# Altium PCB PCB1.PcbDoc
Units mil, origin at the board's own origin, x right, y up, seen from the top; angles counter-clockwise.
Board outline 4910 x 6675 mil, 2 copper layers (Top Layer, Bottom Layer); 98 components, 82 nets, 405 pads, 11 vias.
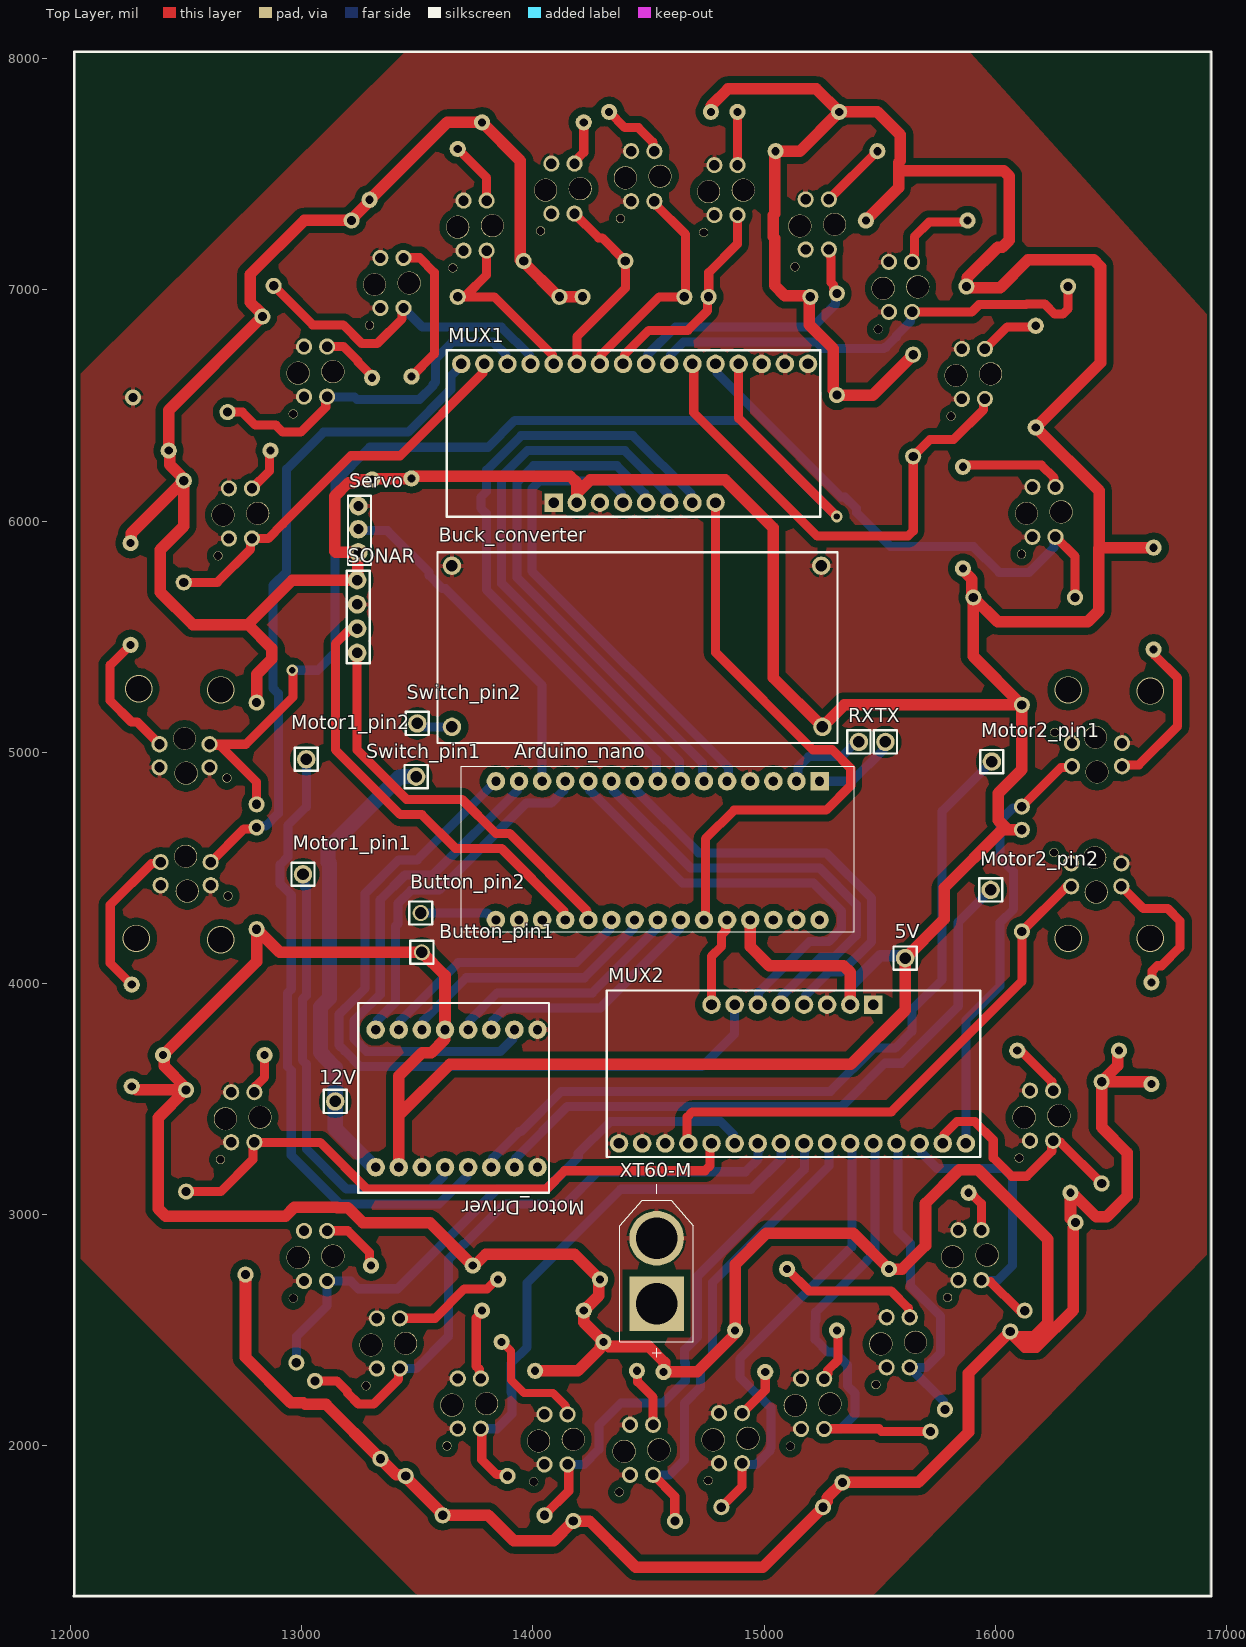
[diagram p0: Top Layer view]
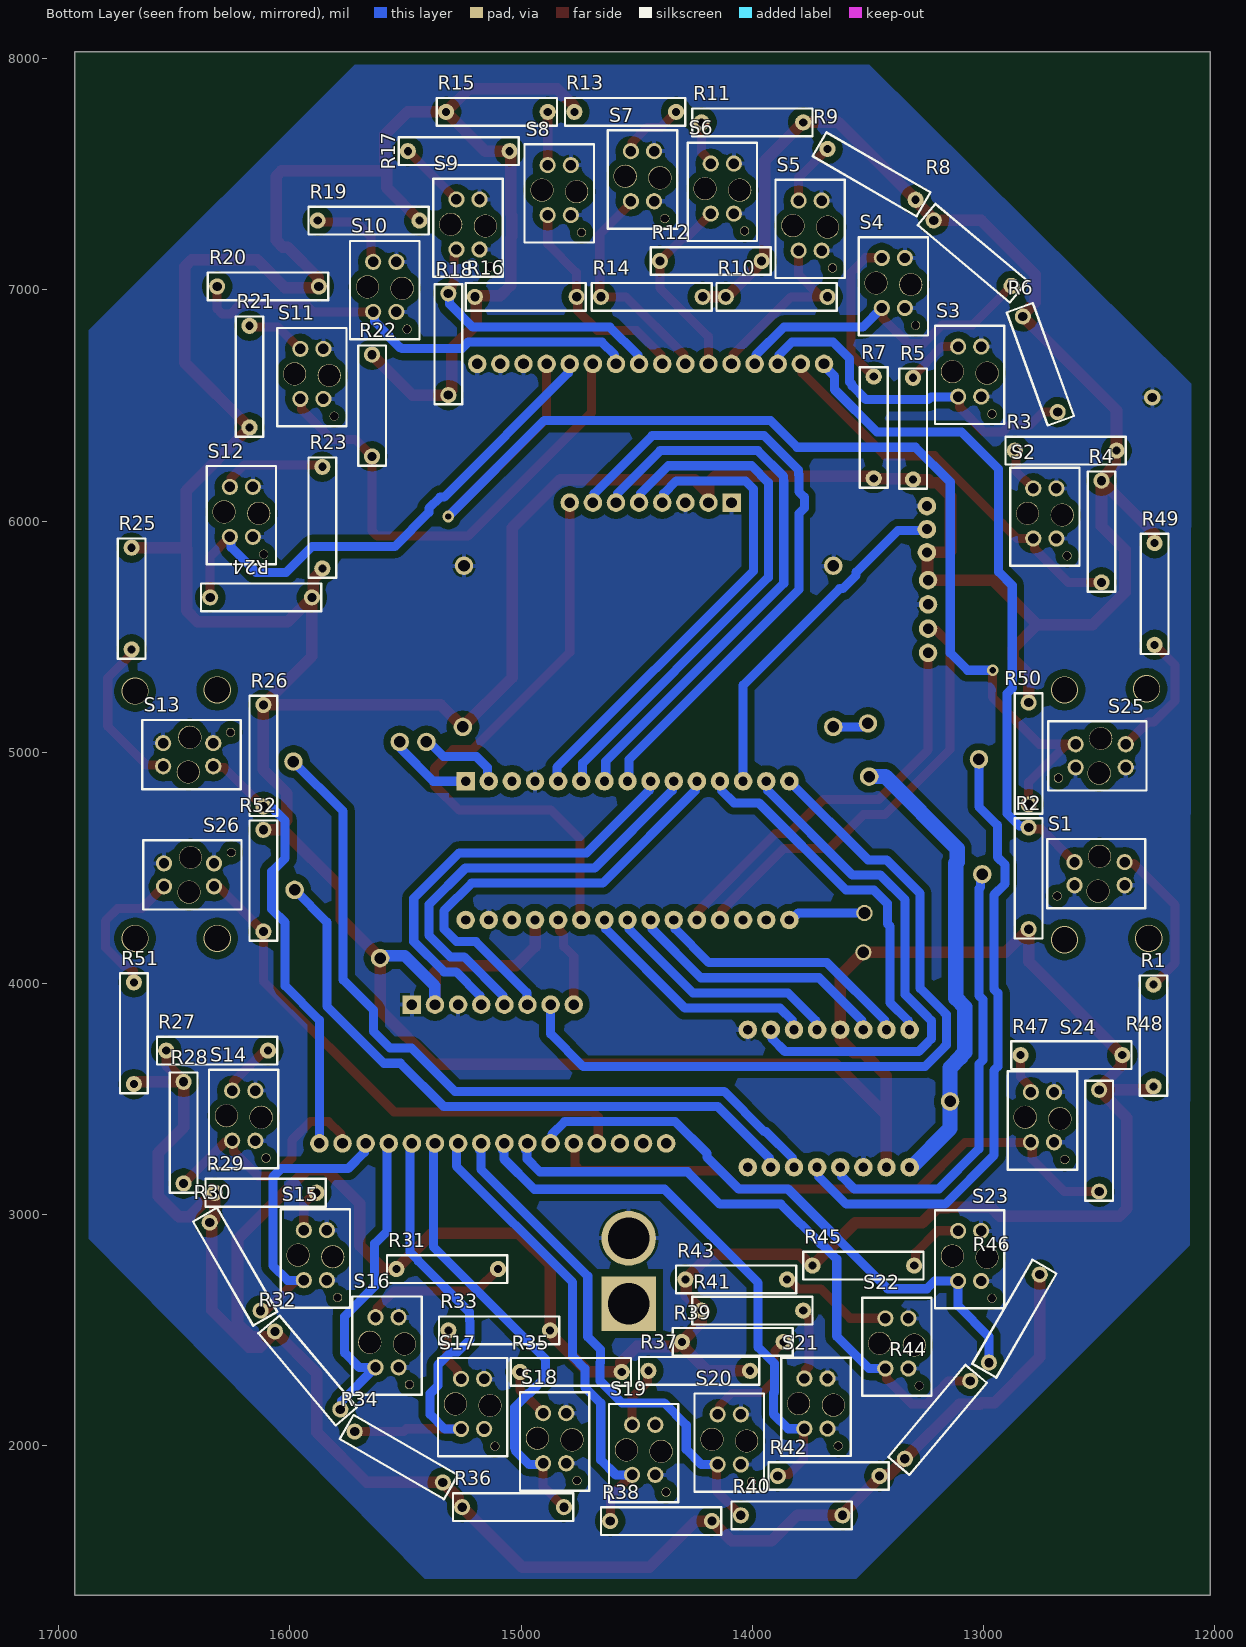
[diagram p1: Bottom Layer view, seen from below]
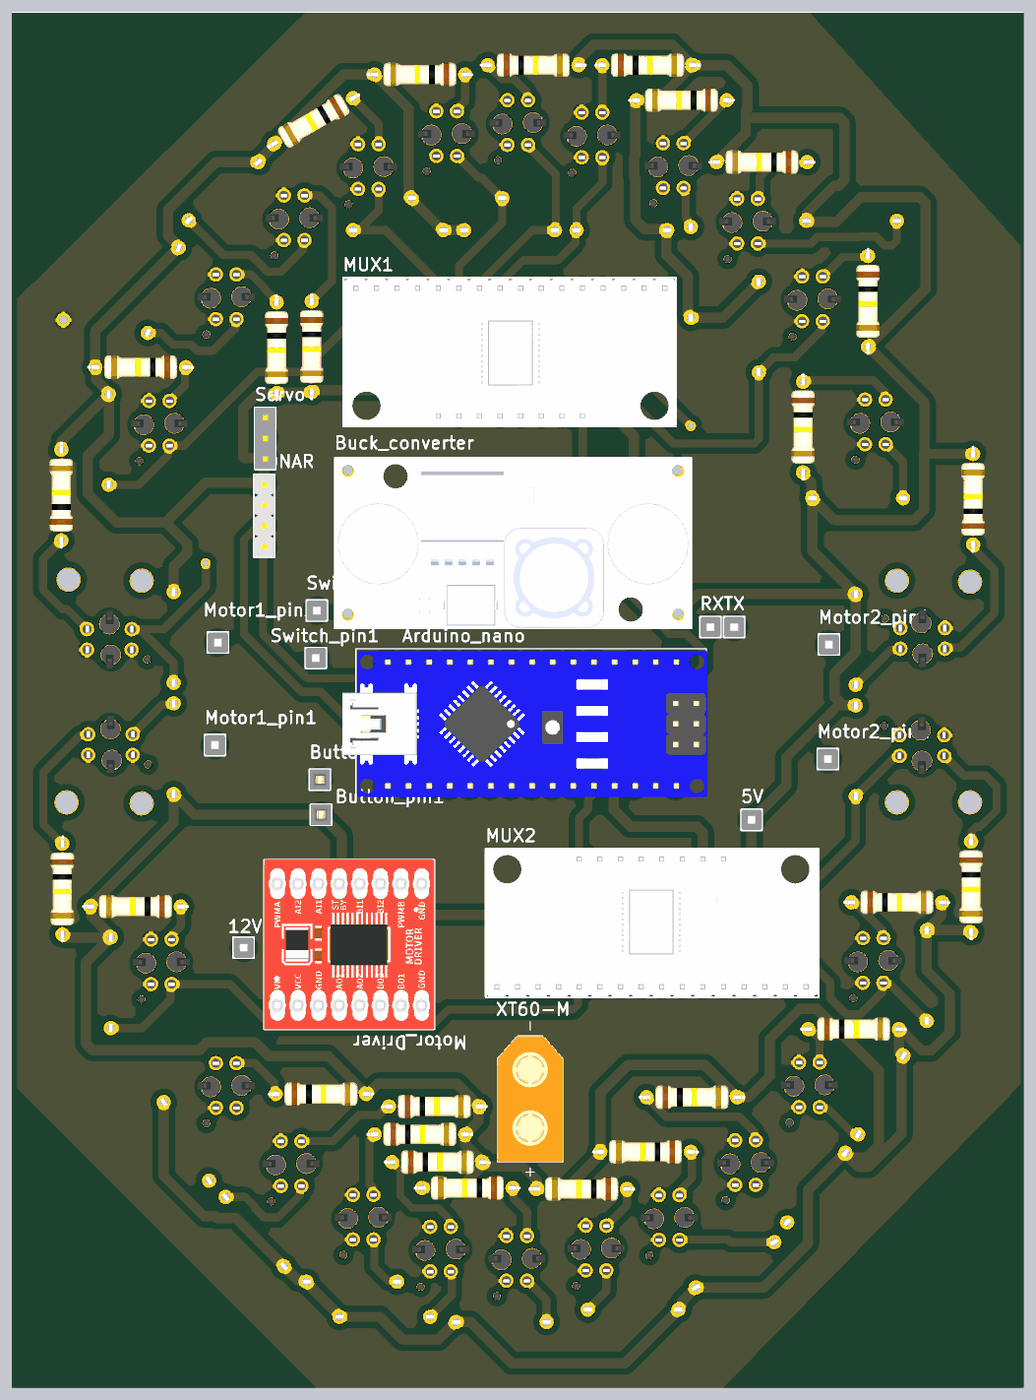
[diagram p2: 3D render of the assembled board from above, using the file's embedded part models]
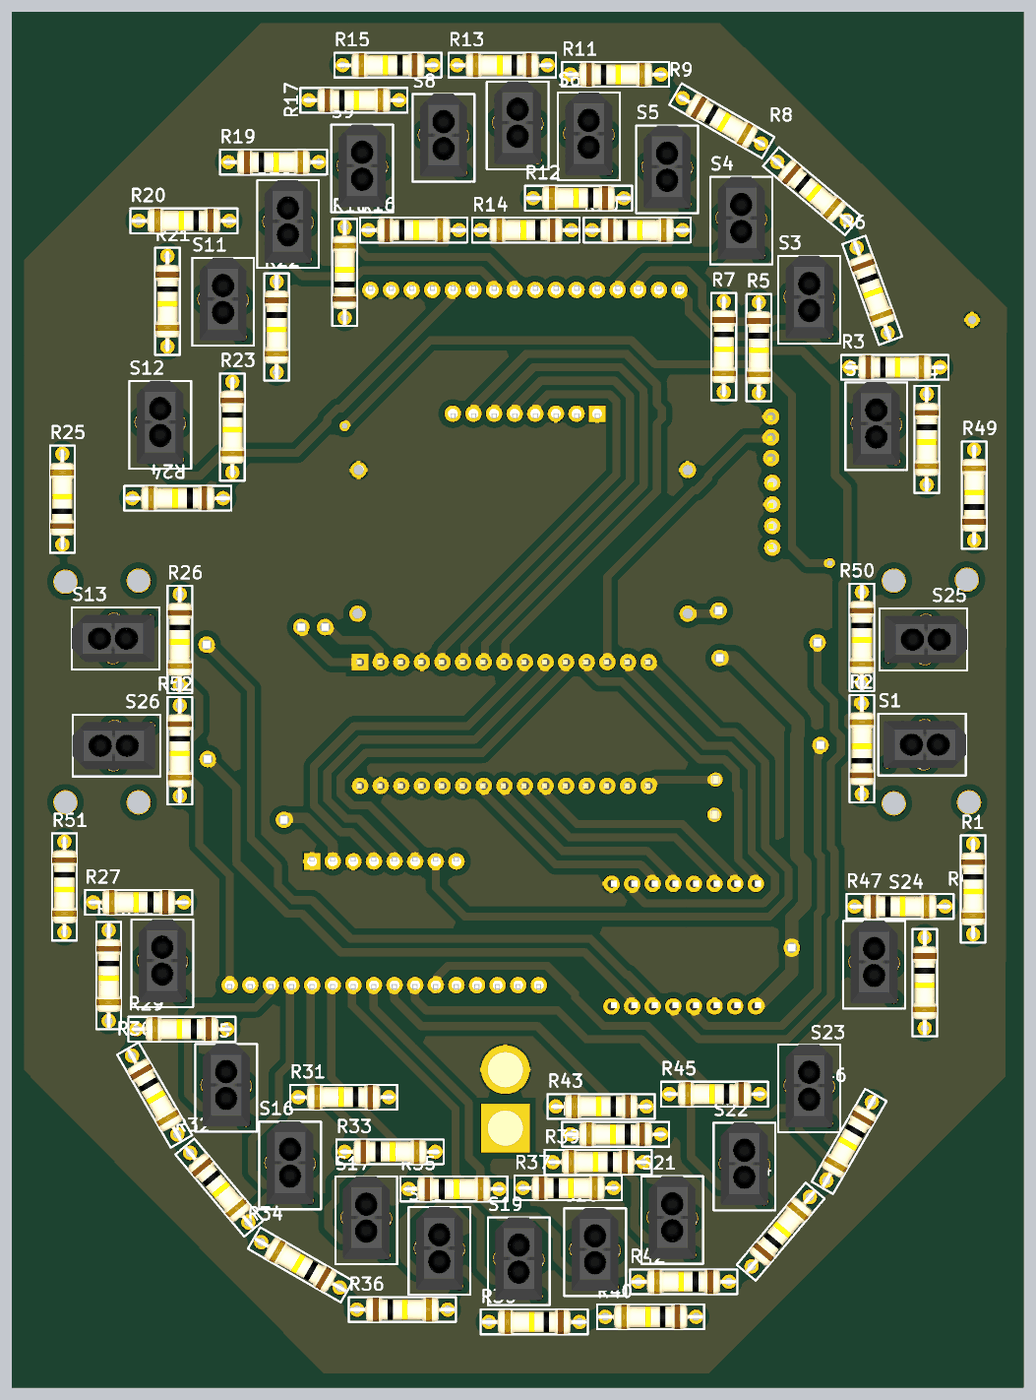
[diagram p3: 3D render of the assembled board from below, using the file's embedded part models]

## Layer stack, top to bottom
Top Solder: solder mask 0.4, Solder Resist, Dk 3.5
Top Layer: signal copper 1.4
Dielectric 1: dielectric 12.6, FR-4, Dk 4.8
Bottom Layer: signal copper 1.4
Bottom Solder: solder mask 0.4, Solder Resist, Dk 3.5

## Board outline
12020,1355 16930,1355 16930,8030 12020,8030

## Design rules (kind name [scope] priority, off if disabled: settings)
Clearance [All] p1: gap=30 ignorepadtopadclearanceinfootprint=FALSE except(0: Arc-Text Arc-Hole Track-Text Track-Hole SMDPad-Text SMDPad-Hole THPad-Text THPad-Hole Via-Text Fill-Text Poly-Text Region-Text Text-Text Text-Hole; 19: THPad-THPad; 26: Arc-Arc Arc-Track Track-Track)
HoleSize [All] p1: absolutevalues=TRUE maxlimit=200 minlimit=1 maxpercent=80.000 minpercent=20.000
PolygonConnect [All] p1: connectstyle=Relief reliefconductorwidth=19.68 reliefentries=4 polygonreliefangle="90 Angle" airgapwidth=10
RoutingVias [All] p1: holewidth=28 width=50 viastyle="Through Hole" minholewidth=28 minwidth=50 maxholewidth=28 maxwidth=50
SolderMaskExpansion [All] p1: expansion=4 istentingtop=FALSE
SupplyNets "Schematic Supply Nets_2" [InNet('+12')] p1: voltage=0.000
SupplyNets "Schematic Supply Nets_1" [InNet('+5')] p2: voltage=0.000
SupplyNets "Schematic Supply Nets" [InNet('GND')] p3: voltage=0.000
Width [All] p1: maxlimit=157.48 minlimit=31.5 preferedwidth=39.37 minimp=50.000000 maximp=50.000000 favimp=50.000000
29 further rules are at their usual default settings.

## Components (designator, comment, footprint, x,y, rotation, side; value= is the part's Value field where it differs from the comment)
5V "" 1_pin_male_header 15615,4115 r0 top
12V "" 1_pin_male_header 13150,3495 r0 top
Arduino_nano "" Arduino_nano 14320,4715 r270 top
Buck_converter "" Buck_converter 14597.36,5515 r90 top
Button_pin1 "" 1_pin_female_header 13530,4145 r90 top
Button_pin2 "" 1_pin_female_header 13525,4315 r90 top
Motor1_pin1 "" 1_pin_male_header 13000.63,4477.82 r90 top
Motor1_pin2 "" 1_pin_male_header 13015,4975 r90 top
Motor2_pin1 "" 1_pin_male_header 15980,4965 r90 top
Motor2_pin2 "" 1_pin_male_header 15975,4410 r90 top
Motor_Driver "" TB6612_Motor_driver 13810,2640.51 r90 top
MUX1 "" MUX 14392.73,6383.62 r270 top
MUX2 "" MUX 15170,3605 r90 top
R1 "Resistor(330)" Resistor(330) 12195,3555 r90 bottom
R2 "Resistor(10k)" Resistor(10k) 12865,4525 r270 bottom
R3 "Resistor(330)" Resistor(330) 12425,6375 r0 bottom
R4 "Resistor(10k)" Resistor(10k) 12430,5885 r90 bottom
R5 "Resistor(330)" Resistor(330) 13235,6180 r90 bottom
R6 "Resistor(10k)" Resistor(10k) 12674.43,6633.01 r70 bottom
R7 "Resistor(330)" Resistor(330) 13405,6185 r90 bottom
R8 "Resistor(10k)" Resistor(10k) 12955,7160 r40 bottom
R9 "Resistor(330)" Resistor(330) 13258.95,7450.62 r30 bottom
R10 "Resistor(10k)" Resistor(10k) 13825,7030 r0 bottom
R11 "Resistor(330)" Resistor(330) 13780,7795 r0 bottom
R12 "Resistor(10k)" Resistor(10k) 14250,7065 r180 bottom
R13 "Resistor(330)" Resistor(330) 14770,7700 r180 bottom
R14 "Resistor(10k)" Resistor(10k) 14505,6910 r180 bottom
R15 "Resistor(330)" Resistor(330) 15325,7700 r180 bottom
R16 "Resistor(10k)" Resistor(10k) 14910,7030 r0 bottom
R17 "Resistor(330)" Resistor(330) 15050,7670 r0 bottom
R18 "Resistor(10k)" Resistor(10k) 15375,6835 r270 bottom
R19 "Resistor(330)" Resistor(330) 15440,7370 r0 bottom
R20 "Resistor(10k)" Resistor(10k) 16165,6955 r180 bottom
R21 "Resistor(330)" Resistor(330) 16105,6405 r90 bottom
R22 "Resistor(10k)" Resistor(10k) 15585,6430 r90 bottom
R23 "Resistor(330)" Resistor(330) 15790,5795 r90 bottom
R24 "Resistor(10k)" Resistor(10k) 16195,5610 r180 bottom
R25 "Resistor(330)" Resistor(330) 16755,5885 r270 bottom
R26 "Resistor(10k)" Resistor(10k) 16055,4915 r90 bottom
R27 "Resistor(330)" Resistor(330) 16535,3640 r180 bottom
R28 "Resistor(10k)" Resistor(10k) 16400,3285 r90 bottom
R29 "Resistor(330)" Resistor(330) 16325,3025 r180 bottom
R30 "Resistor(10k)" Resistor(10k) 16150,2745 r60 bottom
R31 "Resistor(330)" Resistor(330) 15540,2695 r180 bottom
R32 "Resistor(10k)" Resistor(10k) 15832.63,2311.41 r50 bottom
R33 "Resistor(330)" Resistor(330) 14875,2570 r0 bottom
R34 "Resistor(10k)" Resistor(10k) 15620,1935 r210 bottom
R35 "Resistor(330)" Resistor(330) 14565,2390 r0 bottom
R36 "Resistor(10k)" Resistor(10k) 14965,1795 r0 bottom
R37 "Resistor(330)" Resistor(330) 14010,2395 r0 bottom
R38 "Resistor(10k)" Resistor(10k) 14465,1615 r180 bottom
R39 "Resistor(330)" Resistor(330) 14305,2380 r180 bottom
R40 "Resistor(10k)" Resistor(10k) 13900,1640 r180 bottom
R41 "Resistor(330)" Resistor(330) 14220,2515 r180 bottom
R42 "Resistor(10k)" Resistor(10k) 13740,1810 r180 bottom
R43 "Resistor(330)" Resistor(330) 14290,2650 r180 bottom
R44 "Resistor(10k)" Resistor(10k) 13200,2205 r310 bottom
R45 "Resistor(330)" Resistor(330) 13740,2710 r180 bottom
R46 "Resistor(10k)" Resistor(10k) 12850,2460 r120 bottom
R47 "Resistor(330)" Resistor(330) 12400,3760 r0 bottom
R48 "Resistor(10k)" Resistor(10k) 12440,3250 r90 bottom
R49 "" Resistor(330) 12330,5905 r270 bottom
R50 "" Resistor(10k) 12745,4925 r90 bottom
R51 "" Resistor(330) 16605,3565 r90 bottom
R52 "" Resistor(10k) 16055,4375 r90 bottom
RX "" 1_pin_male_header 15415,5050 r0 top
S1 "TCRT5000" TCRT5000 12390,4425 r90 bottom
S2 "TCRT5000" TCRT5000 12685,6141.53 r0 bottom
S3 "TCRT5000" TCRT5000 13010,6755 r0 bottom
S4 "TCRT5000" TCRT5000 13340.2,7138.27 r0 bottom
S5 "TCRT5000" TCRT5000 13700,7386.53 r0 bottom
S6 "TCRT5000" TCRT5000 14080,7546.53 r0 bottom
S7 "TCRT5000" TCRT5000 14425.2,7600 r0 bottom
S8 "TCRT5000" TCRT5000 14785.2,7540 r0 bottom
S9 "TCRT5000" TCRT5000 15180,7391.53 r0 bottom
S10 "TCRT5000" TCRT5000 15540,7121.53 r0 bottom
S11 "TCRT5000" TCRT5000 15855.2,6745 r0 bottom
S12 "TCRT5000" TCRT5000 16160.2,6148.27 r0 bottom
S13 "TCRT5000" TCRT5000 16548.27,5039.8 r270 bottom
S14 "TCRT5000" TCRT5000 16150,3536.53 r0 bottom
S15 "TCRT5000" TCRT5000 15840.2,2933.27 r0 bottom
S16 "TCRT5000" TCRT5000 15530,2556.53 r0 bottom
S17 "TCRT5000" TCRT5000 15160,2290 r0 bottom
S18 "TCRT5000" TCRT5000 14805,2141.53 r0 bottom
S19 "TCRT5000" TCRT5000 14420,2091.53 r0 bottom
S20 "TCRT5000" TCRT5000 14050,2136.53 r0 bottom
S21 "TCRT5000" TCRT5000 13675,2291.53 r0 bottom
S22 "TCRT5000" TCRT5000 13325,2551.53 r0 bottom
S23 "TCRT5000" TCRT5000 13010.2,2930 r0 bottom
S24 "TCRT5000" TCRT5000 12695.2,3530 r0 bottom
S25 "TCRT5000" TCRT5000 12385,4935 r90 bottom
S26 "TCRT5000" TCRT5000 16545,4520 r270 bottom
Servo "" 3_pin_male_header 13245,5965 r90 top
SONAR "" "4 pin male" 13240,5745 r270 top
Switch_pin1 "" 1_pin_male_header 13490,4900 r90 top
Switch_pin2 "" 1_pin_male_header 13495,5130 r90 top
TX "" 1_pin_male_header 15530,5050 r0 top
XT60-M "" AMASS_XT60-M 14535,2756.73 r90 top

## Footprints (in the part's own frame and the unit in brackets; to place one, negate y for a bottom-side part, rotate by r counter-clockwise, add the part's x,y. Pads: shape width x height; smd on the part's side, far side on the other; paste and mask are expansions set on the pad)
1_pin_female_header [mil]
  round 70 hole 50: 1(-10,10)
  silkscreen extent -60,-40 40,60, body extent -59,-39 39,59, height 354
1_pin_male_header [mil]
  round 80 hole 50: 1(-5,-5)
  silkscreen extent -55,-55 45,45, body extent -54,-54 44,44, height 433
3_pin_male_header [mil]
  round 80 hole 43: 1(-100,0) 2(0,0) 3(100,0)
  silkscreen extent -155,-55 145,45, body extent -155,-55 145,45, height 330
"4 pin male" [mil]
  round 80 hole 46: 1(0,0) 2(105,0) 3(210,0) 4(315,0)
  silkscreen extent -40,-45 360,55, body extent -40,-44 360,54, height 180
AMASS_XT60-M [mm]
  round 6 hole 4.55: N(3.6,0)
  rect 6x6 / inner round 6 / far side rect 6x6 hole 4.55: P(-3.6,0)
  silkscreen extent -9.5,-4.05 9.5,4.05, body extent -7.75,-4.05 7.75,4.05, height 16
Arduino_nano [mil]
  rect 80x80 hole 40: 1(-160,920)
  round 80 hole 40: 2(-160,820) 3(-160,720) 4(-160,620) 5(-160,520) 6(-160,420) 7(-160,320) 8(-160,220) 9(-160,120) 10(-160,20) 11(-160,-80) 12(-160,-180) 13(-160,-280) 14(-160,-380) 15(-160,-480) 16(440,-480) 17(440,-380) 18(440,-280) 19(440,-180) 20(440,-80) 21(440,20) 22(440,120) 23(440,220) 24(440,320) 25(440,420) 26(440,520) 27(440,620) 28(440,720) 29(440,820) 30(440,920)
  silkscreen extent -225,-630 490,1070, body extent -214,-696 494,1075, height 496
Buck_converter [mil]
  round 80 hole 50: 1(-405,947.36) 2(291.85,947.36) 3(-405,-655) 4(291.85,-650)
  silkscreen extent -475,-720 350,1010, body extent -475,-721 352,1011, height 537
MUX [mil]
  round 80 hole 46: 1(-296.38,-702.73) 2(-296.38,-602.73) 3(-296.38,-502.73) 4(-296.38,-402.73) 5(-296.38,-302.73) 6(-296.38,-202.73) 7(-296.38,-102.73) 8(-296.38,-2.73) 9(-296.38,97.27) 10(-296.38,197.27) 11(-296.38,297.27) 12(-296.38,397.27) 13(-296.38,497.27) 14(-296.38,597.27) 15(-296.38,697.27) 16(-296.38,797.27) 18(303.62,-202.73) 19(303.62,-102.73) 20(303.62,-2.73) 21(303.62,97.27) 22(303.62,197.27) 23(303.62,297.27) 24(303.62,397.27)
  rect 80x80 hole 46: 17(303.62,-302.73)
  silkscreen extent -355,-765 365,850, body extent -354,-760 364,854, height 385
Resistor(10k) [mil]
  round 70 hole 40: 1(-150,60) 2(290,60)
  silkscreen extent -190,0 330,120, body extent -190,1 330,119, height 259
Resistor(330) [mil]
  round 70 hole 35: 1(0,70) 2(440,70)
  silkscreen extent -40,10 480,130, body extent -40,11 480,129, height 59
TB6612_Motor_driver [mil]
  round 80 hole 40: 1(565,490) 2(565,390) 3(565,290) 4(565,190) 5(565,90) 6(565,-10) 7(565,-110) 8(565,-210) 9(1159.49,-210) 10(1159.49,-110) 11(1159.49,-10) 12(1159.49,90) 13(1159.49,190) 14(1159.49,290) 15(1159.49,390) 16(1159.49,490)
  silkscreen extent 455,-260 1275,565, body extent 453,-260 1276,566, height 264
TCRT5000 [mil]
  round 70 hole 45: 1(0,216.53) 2(0,0) 3(100,216.53) 4(100,0)
  round 100 hole 95: 5(-25.2,115) 6(124.8,108.27)
  round 39.37 hole 35.43: 7(-46.46,291.34)
  silkscreen extent -100,-90 200,335, body extent -88,-92 188,310, height 283

## Part data
5V 12V Motor1_pin1 Motor1_pin2 Motor2_pin1 Motor2_pin2 RX Switch_pin1 Switch_pin2 TX: library part 1_pin_male_header
Arduino_nano: library part Arduino_nano
Buck_converter: library part Buck_converter
Button_pin1 Button_pin2: library part 1_pin_female_header
Motor_Driver: library part TB6612_Motor_driver
MUX1 MUX2: library part MUX
R49 R51: library part Resistor(330)
R50 R52: library part Resistor(10k)
Servo: library part 3_pin_male_header
SONAR: library part "4 pin male"
XT60-M: library part XT60-M, "Plug; DC supply; XT60; male; PIN: 2; for cable; soldered; 30A; 500V", Package=Package, Check_prices=https://www.snapeda.com/parts/XT60-M/AMASS/view-part/?ref=eda, MF=AMASS, MP=XT60-M, SnapEDA_Link=https://www.snapeda.com/parts/XT60-M/AMASS/view-part/?ref=snap

## Via types
v1: diameter 118.11, hole 110, Top Layer to Bottom Layer, 8 vias
v2: diameter 50, hole 28, Top Layer to Bottom Layer, 2 vias
v3: diameter 70, hole 40, Top Layer to Bottom Layer, 1 vias

## Nets (pads, with @x,y where several pads share a name; then routed paths per layer and width w, separated by ;. In a path a pad name is that pad's centre, name@x,y a point inside that pad or via, vN(x,y) a via of type N, cw(c..) or ccw(c..) an arc to the next point about the centre after c; other vN are vias at no path point)
+5: 5V.1 Arduino_nano.27 Buck_converter.3 Button_pin1.1 Motor_Driver.2 Motor_Driver.13 MUX1.18 MUX2.18 R1.1 R2.2 R3.1 R4.2 R5.1 R6.2 R7.1 R8.2 R9.1 R10.2 R11.1 R12.2 R13.1 R14.2 R15.1 R16.2 R17.1 R18.2 R19.1 R20.2 R21.1 R22.2 R23.1 R24.2 R25.1 R26.2 R27.1 R28.2 R29.1 R30.2 R31.1 R32.2 R33.1 R34.2 R35.1 R36.2 R37.1 R38.2 R39.1 R40.2 R41.1 R42.2 R43.1 R44.2 R45.1 R46.2 R47.1 R48.2 R49.1 R50.2 R51.1 R52.2 Servo.1 SONAR.1 | length 40230.3
  Top Layer w50: R49.1 12262.87,5907.87 12262.87,5947.87 R4.2 ; R1.1 12269.06,3555 12284.06,3540 R48.2 ; R46.2 12756.96,2383.04 12952.72,2187.28 13007.61,2187.28 13015.42,2179.47 13105.26,2179.47 R44.2 13408.86,1875.86 13444.14,1875.86 R42.2 13450,1865 13610,1705 R40.2 13806.6,1700 13916.6,1590 14090,1590 R38.2 14245,1675 14445,1475 14995,1475 R36.2 15255,1743.29 15272.35,1760.63 15272.35,1775.45 R34.2 15666.96,1841.96 15884.04,2059.04 15884.04,2314.04 R32.2@16062.44,2492.44 ; R50.2 12805,5338.01 12870.71,5403.73 12870.71,5449.29 12767.48,5552.52 ; Servo.1@13242.5,5862.5 13242.5,5747.5 SONAR.1 12959.95,5745 12767.48,5552.52 ; Servo.1 13148.13,5865 13143.13,5870 13143.13,6107.2 13202.8,6166.87 13225.37,6166.87 13236.59,6178.09 13303.09,6178.09 R5.1 13307.5,6182.5 13472.5,6182.5 R7.1 13479.06,6185 13489.06,6195 14160.71,6195 14189.37,6166.34 14189.37,6080.63 MUX1.18 14190.63,6080.63 14190.63,6121.16 14248.84,6179.37 14831.16,6179.37 15038.89,5971.64 15038.89,5323.47 Buck_converter.3 15347.36,5205 R26.2 ; Motor_Driver.2 13420.63,3206.14 13420.63,3246.67 ; 13420,3246.67 13420,3430 ; R37.1 14195,2325 14292.19,2422.19 R39.1@14292.19,2430.25 ; R14.2 R10.2 14110,6970 13955,7125 13950,7125 13945.75,7129.25 13945.75,7559.25 R11.1 13628.95,7725 R9.1 13293.95,7384.34 13215.72,7306.11 R8.2 13010.45,7300.45 12776.79,7066.79 12776.79,6946.5 12822.5,6900.79 12822.5,6896.56 12830,6889.06 R6.2 12425,6480 R3.1 12429.9,6300.1 12429.9,6243.38 12490,6183.29 R4.2 ; R13.1 14771.91,7771.91 14771.91,7797.44 14843.84,7869.37 15225.63,7869.37 R15.1 ; Arduino_nano.27 14940,4160 15022.54,4077.46 15343.44,4077.46 15372.73,4048.17 MUX2.18 15373.36,3909.25 15373.36,3970.29 ; R19.1 15581.56,7441.56 15581.56,7515 ; R22.2 15470,6545 R18.2 15315,6550.41 15300,6565.41 15300,6745 15195,6850 15195,6965 15189.59,6965 15179.59,6975 15090,6975 15045.75,7019.25 15045.75,7223.85 15040.43,7229.16 15040.43,7323.91 15045.75,7329.22 15045.75,7595.75 R17.1 15155,7600 R15.1 ; R23.1 15860,5788.06 15899.14,5748.93 15899.14,5675.86 R24.2 ; R20.2@15875,7010 16021.6,7010 16141.6,7130 16425.71,7130 16455,7100.71 16455,6685 R21.1 16449.06,6130.94 16449.06,5885 R25.1 ; R20.2 15878.83,7018.83 15878.83,7053.83 16010,7185 16030.71,7185 16060,7214.29 16060,7491.94 16036.94,7515 15581.56,7515 ; 16050.21,4669.62 16013.13,4706.7 16013.13,4823.13 16115,4925 R26.2 ; R32.2 R32.2@16062.44,2492.44 ; R52.2@16115.63,4665.63 16030.63,4665.63 15778.37,4413.37 15778.37,4278.37 5V.1 15610,3884.86 15375.14,3650 13640,3650 13420,3430 ; R29.1@16325.42,3094.58 16325.42,2982.87 R30.2@16345,2963.29 ; R30.2@16340.1,2959.9 16342.13,2957.87 16342.13,2948.07 16337.5,2943.44 16337.5,2587.5 16177.81,2427.81 16128.13,2427.81 R32.2@16083.86,2472.08 ; R29.1@16345.17,3082.19 16435.9,2991.46 16481.46,2991.46 16570,3080 16570,3268.4 16460,3378.4 R28.2 ; 16446.87,5882.81 16446.87,5611.87 16400,5565 16010,5565 R24.2 ; R27.1 16530.1,3705.1 16530.1,3645.1 R28.2 ; R51.1 16670.94,3565 16660.94,3575 R28.2 ; R4.2 12490,5978.4 12388.13,5876.53 12388.13,5692.8 12528.41,5552.52 12767.48,5552.52 ; R48.2 12500,3548.29 12404.9,3643.38 12404.9,3685.1 R47.1 12805,4095 R2.2 12905,4135 Button_pin1.1 13620,4035 Motor_Driver.13 13619.37,3799.37 13619.37,3758.84 13561.16,3700.63 13520.63,3700.63 13420,3600 13420,3430 ; R48.2 12380,3420 12380,3026 12412.22,2993.79 12929.92,2993.79 12968,3031.87 13152.39,3031.87 13154.26,3030 13199.96,3030 13264.96,2965 13555,2965 R45.1 13742.71,2780 13747.71,2785 13751.94,2785 13796.94,2830 14180,2830 R43.1 14285.1,2715.1 14285.1,2650.1 R41.1 14220.37,2584.63 14220.37,2534.63 R39.1 14309.06,2450 14329.06,2430 14500.53,2430 14569.37,2361.16 14569.37,2324.37 R35.1 14710,2320 14872.13,2482.13 14872.13,2497.13 R33.1 14875,2785 15010,2920 15385,2920 R31.1 15596.45,2765 15698.13,2866.68 15698.13,3048.66 15843.84,3194.37 15926.16,3194.37 16226.87,2893.66 16226.87,2531.75 16167.2,2472.08 R32.2@16083.86,2472.08 ; R15.1 15490,7770 15589.37,7670.63 15589.37,7558.84 15581.56,7551.02 15581.56,7515 ; R24.2 15905,5415 R26.2 ; R32.2@16062.44,2492.44 16063.5,2492.44 R32.2@16083.86,2472.08
  Bottom Layer w50: MUX2.18 15373.36,3909.25 15373.36,3990.49 15502.87,4120 15591.88,4120 15601.88,4110 5V.1
+12: 12V.1 Motor_Driver.1 Switch_pin1.1 | length 1999
  Bottom Layer w66: Motor_Driver.1@13310,3207.51 13145,3372.51 12V.1 13145,3635.43 13099.06,3681.38 13099.06,3684.21 13081.89,3701.37 13081.89,3898.63 13120,3936.74 13120,4520.19 13114.09,4526.1 13114.09,4584.09 13425,4895 Switch_pin1.1
A0: Arduino_nano.19 SONAR.3 | length 1897.3
  Top Layer w39.37: SONAR.3 13234.14,5529.14 13206.13,5529.14 13145.94,5468.96 13145.94,5011.52 13426.89,4730.57 13519.34,4730.57 13665.99,4583.92 13864.09,4583.92 14134.14,4313.87 14134.14,4280.86 Arduino_nano.19
A1: Arduino_nano.20 SONAR.4 | length 1743.8
  Top Layer w39.37: SONAR.4 13240,5009.91 13453.97,4795.94 13693.59,4795.94 13840.25,4649.29 13898.72,4649.29 14234.14,4313.87 14234.14,4280.86 Arduino_nano.20
A1M: Motor1_pin1.1 Motor_Driver.4 | length 1938.2
  Bottom Layer w39.37: Motor1_pin1.1 13013.4,4465.04 13013.4,4417.41 13020.37,4410.44 13020.37,3948.39 13003.2,3931.22 13003.2,3668.78 13020.37,3651.61 13020.37,3284.63 13193.54,3111.46 13558.96,3111.46 13614.14,3166.64 13614.14,3199.65 Motor_Driver.4
A2: Arduino_nano.21 Motor_Driver.15 | length 1155.4
  Bottom Layer w39.37: Motor_Driver.15 13425.86,3805.86 13425.86,3838.87 13677.15,4090.17 14188.18,4090.17 14334.14,4236.13 14334.14,4269.14 Arduino_nano.21
A2M: Motor1_pin2.1 Motor_Driver.5 | length 2731.7
  Bottom Layer w39.37: Motor1_pin2.1 13020,4764.54 12940,4684.54 12940,4547.27 12906.57,4513.85 12906.57,4431.79 12955,4383.36 12955,3975.46 12937.83,3958.3 12937.83,3641.7 12955,3624.54 12955,3257.55 13166.47,3046.09 13233.91,3046.09 13593.59,3046.09 13714.14,3166.64 13714.14,3199.65 Motor_Driver.5
A3: Arduino_nano.22 Motor_Driver.14 | length 1155.4
  Bottom Layer w39.37: Motor_Driver.14 13525.86,3805.86 13525.86,3838.87 13711.78,4024.8 14222.81,4024.8 14434.14,4236.13 14434.14,4269.14 Arduino_nano.22
A4: Arduino_nano.23 Motor_Driver.12 | length 1055.4
  Bottom Layer w39.37: Motor_Driver.12 13725.86,3805.86 13725.86,3838.87 13846.41,3959.43 14257.44,3959.43 14534.14,4236.13 14534.14,4269.14 Arduino_nano.23
A5: Arduino_nano.24 Motor_Driver.11 | length 1055.4
  Bottom Layer w39.37: Motor_Driver.11 13825.86,3805.86 13825.86,3838.87 13881.04,3894.06 14292.07,3894.06 14634.14,4236.13 14634.14,4269.14 Arduino_nano.24
A6: Arduino_nano.25 MUX1.24 | length 2592.2
  Top Layer w39.37: Arduino_nano.25 14745.86,4280.86 14745.86,4302.52 14745.94,4302.6 14745.94,4625.85 14870.1,4750 15268.52,4750 15375,4856.48 15375,4930 15294.06,5010.94 15211.33,5010.94 14790,5432.28 MUX1.24
A7: Arduino_nano.26 MUX2.24 | length 394.2
  Top Layer w39.37: MUX2.24 14772.73,4117.73 14816.26,4161.26 14816.26,4210.69 14834.14,4228.57 14834.14,4269.14 Arduino_nano.26
B1M: Motor2_pin1.1 Motor_Driver.6 | length 3392
  Bottom Layer w39.37: Motor_Driver.6 13825.86,3211.37 13825.86,3244.39 13941.1,3359.63 13948.66,3359.63 14122.45,3533.42 15286.94,3533.42 15474.09,3720.58 15566.54,3720.58 15639.42,3793.46 15639.42,3885.91 15770,4016.48 15770,4745 Motor2_pin1.1
B2M: Motor2_pin2.1 Motor_Driver.7 | length 2789.1
  Bottom Layer w39.37: Motor_Driver.7 13925.86,3211.37 13925.86,3244.39 14149.52,3468.05 15335.04,3468.05 15522.19,3655.2 15593.62,3655.2 15840,3901.59 15840,4265 Motor2_pin2.1
D2: Arduino_nano.5 MUX1.20 | length 2085.2
  Bottom Layer w39.37: MUX1.20 14384.14,6085.86 14384.14,6118.87 14328.96,6174.06 14030.54,6174.06 13995.94,6139.46 13995.94,5784.06 14845.36,4934.64 14845.36,4880.36 Arduino_nano.5
D3: Arduino_nano.6 MUX1.21 | length 2301.8
  Bottom Layer w39.37: MUX1.21 14484.14,6085.86 14484.14,6118.87 14363.59,6239.43 14003.46,6239.43 13930.57,6166.54 13930.57,5756.98 14734.14,4953.41 14734.14,4880.86 Arduino_nano.6
D4: Arduino_nano.7 MUX1.22 | length 2523.6
  Bottom Layer w39.37: MUX1.22 14584.14,6085.86 14584.14,6118.87 14398.22,6304.8 13976.38,6304.8 13865.2,6193.62 13865.2,6175.1 13864.26,6174.15 13864.26,5730.85 14634.14,4960.97 14634.14,4880.86 Arduino_nano.7
D5: Arduino_nano.8 MUX1.23 | length 2764.5
  Bottom Layer w39.37: Arduino_nano.8 14534.14,4880.86 14534.14,4968.52 13798.89,5703.77 13798.89,6032.7 13775,6056.59 13775,6103.41 13798.89,6127.3 13798.89,6201.23 13799.83,6202.18 13799.83,6220.69 13949.31,6370.17 14432.85,6370.17 14684.14,6118.87 14684.14,6085.86 MUX1.23
D6: Arduino_nano.9 MUX2.20 | length 1864.9
  Bottom Layer w39.37: Arduino_nano.9 14445.86,4869.14 14445.86,4836.13 14716.99,4565 15267.91,4565 15464.8,4368.11 15464.8,4181.89 15333.11,4050.2 15281.3,4050.2 15178.59,3947.5 15178.59,3914.48 MUX2.20
D7: Arduino_nano.10 MUX2.21 | length 1902.5
  Bottom Layer w39.37: Arduino_nano.10 14345.86,4869.14 14345.86,4836.13 14682.36,4499.63 15240.83,4499.63 15399.43,4341.04 15399.43,4208.96 15306.04,4115.57 15246.67,4115.57 15078.59,3947.5 15078.59,3914.48 MUX2.21
D8: Arduino_nano.11 MUX2.22 | length 1949.4
  Bottom Layer w39.37: Arduino_nano.11 14245.86,4869.14 14245.86,4836.13 14647.73,4434.26 15213.75,4434.26 15334.06,4313.96 15334.06,4236.04 15278.96,4180.94 15195.94,4180.94 14975.31,3960.31 14975.31,3911.21 MUX2.22
D9: Arduino_nano.12 Motor_Driver.16 | length 1548.3
  Bottom Layer w39.37: Motor_Driver.16 13325.86,3805.86 13325.86,3827.52 13325.94,3827.6 13325.94,3838.96 13405,3918.01 13405,4247.55 13415.94,4258.5 13415.94,4346.03 13473.97,4404.06 13594.52,4404.06 13971.41,4780.94 14045.94,4780.94 14078.96,4780.94 14134.06,4836.04 14134.06,4847.4 14134.14,4847.48 14134.14,4869.14 Arduino_nano.12
D10: Arduino_nano.13 Servo.2 | length 1497.3
  Bottom Layer w39.37: Servo.2 13250.86,5959.14 13370.86,5959.14 13550.94,5779.06 13550.94,5765.82 13608.97,5707.8 13622.2,5707.8 14040,5290 Arduino_nano.13
D11: Arduino_nano.14 Motor_Driver.10 | length 2255.5
  Bottom Layer w39.37: Motor_Driver.10 13914.14,3794.14 13914.14,3761.13 13858.96,3705.94 13281.04,3705.94 13251.06,3735.93 13225.94,3761.04 13225.94,3838.96 13251.06,3864.07 13339.63,3952.64 13339.63,4362.16 13446.89,4469.43 13567.44,4469.43 13934.14,4836.13 13934.14,4869.14 Arduino_nano.14
D12: Arduino_nano.15 MUX2.23 | length 3404.9
  Bottom Layer w39.37: Arduino_nano.15 13499.8,4534.8 13419.82,4534.8 13274.26,4389.24 13274.26,3979.72 13185.69,3891.15 13160.57,3866.04 13160.57,3733.96 13185.69,3708.85 13253.96,3640.57 14730.57,3640.57 14872.73,3782.73 MUX2.23
D13: Arduino_nano.16 Button_pin2.1 | length 337.4
  Bottom Layer w39.37: Button_pin2.1 13801.71,4305 13831.71,4275 Arduino_nano.16
GND: Arduino_nano.4 Arduino_nano.29 Buck_converter.2 Buck_converter.4 Motor_Driver.3 Motor_Driver.8 Motor_Driver.9 MUX1.14 MUX1.15 MUX1.16 MUX1.17 MUX1.19 MUX2.14 MUX2.15 MUX2.16 MUX2.17 MUX2.19 S1.1 S1.2 S2.1 S2.2 S3.1 S3.2 S4.1 S4.2 S5.1 S5.2 S6.1 S6.2 S7.1 S7.2 S8.1 S8.2 S9.1 S9.2 S10.1 S10.2 S11.1 S11.2 S12.1 S12.2 S13.1 S13.2 S14.1 S14.2 S15.1 S15.2 S16.1 S16.2 S17.1 S17.2 S18.1 S18.2 S19.1 S19.2 S20.1 S20.2 S21.1 S21.2 S22.1 S22.2 S23.1 S23.2 S24.1 S24.2 S25.1 S25.2 S26.1 S26.2 Servo.3 SONAR.2 XT60-M.N
  other v3: 12270,6535
high_voltage: Buck_converter.1 Switch_pin2.1 | length 156.2
  Bottom Layer w39.37: Switch_pin2.1 13510.99,5125 13525.99,5110 Buck_converter.1
NetR1_2: R1.2 S1.4 | length 678.3
  Top Layer w39.37: R1.2 12171.89,4088.11 12171.89,4339.9 12351.13,4519.14 12384.14,4519.14 S1.4
NetR3_2: R3.2 S2.4 | length 196.6
  Top Layer w39.37: S2.4 12860.1,6216.63 12860.1,6300.1 R3.2
NetR5_2: R5.2 S3.4 | length 257.9
  Top Layer w39.37: S3.4 13110.79,6755.79 13179.98,6755.79 13243.86,6691.9 13243.86,6688.08 13305,6626.94 R5.2
NetR7_2: R7.2 S4.4 | length 651.8
  Top Layer w39.37: S4.4 13440.98,7139.06 13510.17,7139.06 13574.06,7075.17 13574.06,6724.06 R7.2
NetR9_2: R9.2 S5.4 | length 275.2
  Top Layer w39.37: R9.2 13800,7485 S5.4
NetR11_2: R11.2 S6.4 | length 195
  Top Layer w39.37: S6.4 14180,7554.82 14220,7594.82 R11.2
NetR13_2: R13.2 S7.4 | length 285
  Top Layer w39.37: R13.2 14398.01,7701.99 14456.23,7701.99 14519.34,7638.87 14519.34,7605.86 S7.4
NetR15_2: R15.2 S8.4 | length 230.1
  Top Layer w39.37: R15.2 14885.1,7769.9 14885.1,7540.1 S8.4
NetR17_2: R17.2 S9.4 | length 296.3
  Top Layer w39.37: S9.4 15280.77,7391.53 15489.23,7600 R17.2
NetR19_2: R19.2 S10.4 | length 371.6
  Top Layer w39.37: S10.4 15645.86,7127.4 15645.86,7149.05 15650,7153.19 15650,7230 15713.97,7293.97 15855.85,7293.97 15856.97,7295.1 15875.1,7295.1 R19.2
NetR21_2: R21.2 S11.4 | length 261.2
  Top Layer w39.37: S11.4 15957.45,6745 16052.54,6840.1 16170.1,6840.1 R21.2
NetR23_2: R23.2 S12.4 | length 461.5
  Top Layer w39.37: R23.2 15866.94,6235 15874.26,6242.32 16199.16,6242.32 16254.34,6187.14 16254.34,6154.13 S12.4
NetR25_2: R25.2 S13.4 | length 686.8
  Top Layer w39.37: S13.4 16554.13,4945.66 16575.79,4945.66 16575.87,4945.75 16621.03,4945.75 16788.11,5112.83 16788.11,5321.89 16689.9,5420.1 R25.2@16689.9,5447.42
NetR27_2: R27.2 S14.4 | length 246.2
  Top Layer w39.37: R27.2 16099.9,3705.1 16114.45,3705.1 16244.14,3575.41 16244.14,3542.4 S14.4
NetR29_2: R29.2 S15.4 | length 199.6
  Top Layer w39.37: R29.2 R29.2@15885,3101.94 ; R29.2@15885,3103.06 15940.2,3047.87 S15.4
NetR31_2: R31.2 S16.4 | length 635.7
  Top Layer w39.37: R31.2 15195,2670 15549.55,2670 15624.06,2595.49 15624.06,2584.14 15624.14,2584.05 15624.14,2562.4 S16.4
NetR33_2: R33.2 S17.4 | length 234.9
  Top Layer w39.37: S17.4 15260,2298.29 15275.31,2313.6 15275.31,2326.97 15320,2371.66 R33.2@15320,2500
NetR35_2: R35.2 S18.4 | length 219.9
  Top Layer w39.37: S18.4 15005,2241.53 R35.2
NetR37_2: R37.2 S19.4 | length 267.4
  Top Layer w39.37: R37.2@14441.63,2326.44 14452.87,2315.2 14452.87,2277.13 14520,2210 S19.4
NetR39_2: R39.2 S20.4 | length 505.6
  Top Layer w35: R39.2 13905,2410 13905,2285 13961.21,2228.79 14087.67,2228.79 14141.87,2174.59 14141.87,2169.41 14143.3,2167.98 14143.3,2143.23 S20.4
NetR41_2: R41.2 S21.4 | length 312.1
  Top Layer w39.37: S21.4 13769.14,2297.4 13769.14,2319.05 13769.06,2319.14 13769.06,2330.49 13755,2344.55 13755,2553.06 13780,2578.06 R41.2
NetR43_2: R43.2 S22.4 | length 494.8
  Top Layer w39.37: S22.4 13425.79,2552.32 13577.32,2552.32 13704.06,2679.06 13802.12,2679.06 13843.06,2720 R43.2
NetR45_2: R45.2 S23.4 | length 281.9
  Top Layer w39.37: S23.4 13110.98,2930.79 13199.21,2930.79 13294.14,2835.86 13294.14,2785.86 R45.2
NetR47_2: R47.2 S24.4 | length 178.6
  Top Layer w39.37: S24.4 12801.06,3535.86 12801.06,3556.06 12840,3595 R47.2
NetR49_2: R49.2 S25.4 | length 569.4
  Top Layer w39.37: R49.2 12171.57,5376.57 12171.57,5223.88 12264.1,5131.35 12288.65,5131.35 S25.4
NetR51_2: R51.2 S26.4 | length 643.4
  Top Layer w39.37: S26.4 16640.48,4324.52 16745.48,4324.52 16798.69,4271.31 16798.69,4156.66 16718.92,4076.89 16700.93,4076.89 16677.87,4053.83 16677.87,4007.87 R51.2
O1: MUX1.1 R2.1 S1.3 | length 2884.7
  Top Layer w39.37: S1.3 12750.67,4669.14 12799.14,4669.14 R2.1
  Bottom Layer w39.37: R2.1 12810.86,4680.86 12843.87,4680.86 12899.06,4736.04 12899.06,5253.96 12875.94,5277.07 12875.94,5721.51 12935,5780.56 12935,6225 13095,6385 13460.46,6385 13644.85,6569.39 13644.85,6626.56 13690,6671.71 MUX1.1
O2: MUX1.2 R4.1 S2.3 | length 1735.1
  Top Layer w39.37: R4.1 12634.7,5735 12779.14,5879.44 12779.14,5919.14 S2.3 12785.79,5924.21 12854.98,5924.21 12918.86,5988.09 12918.86,5988.86 13212.63,6282.63 13425.64,6282.63 13784.14,6641.13 13784.14,6674.14 MUX1.2
O3: MUX1.3 R6.1 S3.3 | length 1561.6
  Top Layer w39.37: R6.1 12743.46,6471.54 12800,6415 12888.01,6415 12918.09,6384.92 12996.16,6384.92 13104.14,6492.9 13104.14,6532.6 S3.3
  Bottom Layer w39.37: S3.3 13110.79,6537.68 13228.19,6537.68 13239.92,6525.94 13508.96,6525.94 13568.32,6585.31 13568.32,6590.77 13579.48,6601.93 13579.48,6702.5 13651.04,6774.06 13828.96,6774.06 13884.14,6718.87 13884.14,6685.86 MUX1.3
O4: MUX1.4 R8.1 S4.3 | length 1421
  Top Layer w39.37: R8.1 13047.22,6849.06 13179.15,6849.06 13260.02,6768.19 13326.36,6768.19 13434.34,6876.17 13434.34,6915.87 S4.3
  Bottom Layer w39.37: S4.3 13522.5,6839.43 13863.59,6839.43 13984.14,6718.87 13984.14,6685.86 MUX1.4
O5: MUX1.5 R10.1 S5.3 | length 823.8
  Top Layer w39.37: S5.3 13800,7065 13710.86,6975.86 13680.86,6975.86 R10.1 13833.01,6970 14084.14,6718.87 14084.14,6685.86 MUX1.5
O6: MUX1.6 R12.1 S6.3 | length 836.9
  Top Layer w39.37: S6.3 14284.57,7225.43 14299.57,7225.43 R12.1 14400,7007.5 14190,6797.5 MUX1.6
O7: MUX1.7 R14.1 S7.3 | length 978.8
  Top Layer w39.37: MUX1.7 14295.86,6685.86 14295.86,6718.87 14546.99,6970 14660,6970 14660,7240.37 14525.2,7375.18 S7.3
O8: MUX1.8 R16.1 S8.3 | length 947
  Top Layer w39.37: MUX1.8 14395.86,6685.86 14395.86,6718.87 14501.94,6824.96 14669.93,6824.96 14755.35,6910.38 14755.35,6953.63 14760.86,6959.14 14760.86,7074.99 14885.2,7199.33 S8.3
O9: MUX1.9 R18.1 S9.3 | length 1198.6
  Top Layer w39.37: S9.3 15285.86,7169.14 15285.86,7147.48 15290,7143.34 15290,7031.66 15299.69,7021.97 15299.69,7008.6 15315,6993.29 R18.1
  Bottom Layer w39.37: MUX1.9 14495.86,6685.86 14495.86,6718.87 14616.41,6839.43 15209.43,6839.43 15309.14,6939.14 15309.14,6979.14 R18.1
O10: MUX1.10 R20.1 S10.3 | length 2022.2
  Top Layer w39.37: S10.3 15640.79,6904.21 15897.23,6904.21 15929.57,6936.56 16133.54,6936.56 16136.04,6939.06 16213.96,6939.06 16257.34,6895.68 16291.94,6895.68 16315,6918.74 R20.1
  Bottom Layer w39.37: MUX1.10 14595.86,6685.86 14595.86,6718.87 14651.04,6774.06 15228.96,6774.06 15256.56,6746.46 15516.16,6746.46 15521.16,6751.46 15526.16,6751.46 15572.28,6797.58 15572.28,6802.58 15634.14,6864.44 15634.14,6899.14 S10.3
O11: MUX1.11 R22.1 S11.3 | length 2151.5
  Top Layer w39.37: MUX1.11 14695.86,6674.14 14695.86,6469.14 15230,5935 15621.94,5935 15645,5958.06 R22.1 15718.45,6353.45 15819.89,6353.45 15949.34,6482.9 15949.34,6522.6 S11.3
O12: MUX1.12 R24.1 S12.3 | length 2256.7
  Top Layer w39.37: S12.3 16345,5846.93 R24.1
  Bottom Layer w39.37: MUX1.12 14795.86,6674.14 14795.86,6641.13 15332.93,6104.06 15349.82,6104.06 15399.06,6054.82 15399.06,6037.93 15546.99,5890 15905,5890 16016.81,5778.19 16146.36,5778.19 16254.34,5886.17 16254.34,5925.87 S12.3
O13: MUX2.1 R26.1 S13.3 | length 1913.3
  Top Layer w39.37: R26.1 16283.94,4933.94 16325.87,4933.94 S13.3
  Bottom Layer w39.37: MUX2.1 15872.73,3841.87 16020.94,3990.09 16020.94,4263.96 16079.06,4322.07 16079.06,4483.96 16020.94,4542.07 16020.94,4703.96 16076.13,4759.14 16109.14,4759.14 R26.1
O14: MUX2.2 R28.1 S14.3 | length 1052
  Top Layer w39.37: MUX2.2 15778.59,3314.48 15778.59,3347.5 15833.77,3402.68 15911.69,3402.68 15991.31,3323.06 15991.31,3246.08 16070.93,3166.46 16136.16,3166.46 16244.14,3274.44 16244.14,3314.14 S14.3 16255.86,3314.14 16280.86,3314.14 R28.1
O15: MUX2.3 R30.1 S15.3 | length 1268.9
  Top Layer w39.37: S15.3 15946.06,2710.87 15979.13,2710.87 16100.74,2589.26 16101.4,2589.26 16116.71,2573.95 R30.1@16125,2573.95
  Bottom Layer w39.37: MUX2.3 15678.59,3302.76 15678.59,3281.1 15678.67,3281.02 15678.67,3269.67 15748.34,3200 16037.38,3200 16074.05,3163.33 16074.05,2779.83 16010.17,2715.95 15940.98,2715.95 S15.3
O16: MUX2.4 R32.1 S16.3 | length 1359
  Bottom Layer w39.37: MUX2.4@15580,3280 15580,2929.33 15634.06,2875.28 15634.06,2803.96 15634.06,2726.04 15632.47,2724.46 15632.47,2691.84 15763.86,2560.46 15763.86,2403.09 15699.98,2339.21 S16.3@15630.79,2339.21 ; S16.3 S16.3@15630.79,2339.21 ; R32.1 15776.31,2163.8 15776.31,2193.69 S16.3@15630.79,2339.21
O17: MUX2.5 R34.1 S17.3 | length 1934.7
  Top Layer w39.37: S17.3@15290,2075 15290.79,2074.21 15496.29,2074.21 15508.54,2061.96 R34.1
  Bottom Layer w39.37: S17.3 15260.79,2072.68 15329.98,2072.68 15393.86,2136.56 15393.86,2226.9 15360,2260.76 15360,2350 15304.06,2405.94 15276.04,2405.94 15220.94,2461.04 15220.94,2538.96 15223.44,2541.46 15223.44,2578.44 15445.94,2800.94 15445.94,2803.96 15480,2838.01 MUX2.5@15480,3280
O18: MUX2.6 R36.1 S18.3 | length 1935.8
  Top Layer w39.37: R36.1 14905,1825 S18.3
  Bottom Layer w39.37: S18.3 14910.74,1919.26 14965.02,1919.26 15025,1979.24 15025,1987.49 15029.49,1991.98 15029.49,2166.03 14969.58,2225.94 14966.04,2225.94 14895,2296.99 14895,2376.56 15380,2861.56 MUX2.6@15380,3280
O19: MUX2.7 R38.1 S19.3 | length 2000.6
  Top Layer w39.37: S19.3@14520.47,1874.53 14613.69,1781.31 14613.69,1676.31 R38.1
  Bottom Layer w39.37: S19.3 14520.79,1874.21 14589.98,1874.21 14655.75,1939.98 14655.75,2185.29 14724.43,2253.96 14724.43,2334.43 14777.54,2387.54 14777.54,2707.54 15280,3210 MUX2.7@15280,3280
O20: MUX2.8 R40.1 S20.3 | length 2196.3
  Top Layer w39.37: R40.1 14155,1805 S20.3@14155,1915
  Bottom Layer w39.37: S20.3 14150.79,1919.21 14219.98,1919.21 14285.75,1984.98 14285.75,2090.3 14381.64,2186.19 14564.2,2186.19 14659.06,2281.04 14659.06,2358.96 14657.78,2360.23 14656.56,2361.46 14656.56,2416.82 14712.17,2472.43 14712.17,2734.61 15174.14,3196.59 15174.14,3274.14 MUX2.8@15180,3280
O21: MUX2.9 R42.1 S21.3 | length 2396.7
  Top Layer w39.37: S21.3 13779.06,2070.94 13779.06,1940.94 13844.14,1875.86 13884.14,1875.86 R42.1
  Bottom Layer w39.37: S21.3 13775.79,2074.21 13844.98,2074.21 13908.86,2138.09 13908.86,2228.44 13905,2232.3 13905,2356.99 13975,2426.99 13975,2705 14380,3110 14943.01,3110 15074.14,3241.13 15074.14,3274.14 MUX2.9@15080,3280
O22: MUX2.10 R44.1 S22.3 | length 2660.9
  Top Layer w39.37: R44.1 13151.67,2281.34 13198.8,2234.21 13198.8,2228.58 13245.93,2181.46 13311.16,2181.46 13419.14,2289.44 13419.14,2329.14 S22.3
  Bottom Layer w39.37: S22.3 13425.79,2334.21 13494.98,2334.21 13635,2474.24 13635,2808.01 13701.04,2874.06 13704.58,2874.06 13876.61,3046.09 14141.09,3046.09 14280.94,3185.94 14918.96,3185.94 14974.14,3241.13 14974.14,3274.14 MUX2.10@14980,3280
O23: MUX2.11 R46.1 S23.3 | length 2544.5
  Bottom Layer w39.37: R46.1 12976.96,2473.09 13110.2,2606.33 S23.3 13110.99,2712.68 13212.79,2712.68 13245.46,2680 13414.54,2680 13846,3111.46 13941.98,3111.46 14058.96,3111.46 14196.36,3248.86 14196.36,3265.27 14333.77,3402.68 14811.69,3402.68 14866.78,3347.58 14866.78,3336.23 14866.87,3336.14 14866.87,3322.77 14870.77,3318.87 MUX2.11@14874.14,3318.87
O24: MUX2.12 R48.1 S24.3 | length 2619
  Top Layer w39.37: R48.1 12650,3100 12789.34,3239.34 12789.34,3307.6 S24.3 12795.99,3312.68 13079.82,3312.68 13281.04,3111.46 14058.96,3111.46 14137.5,3190 14743.72,3190 14766.78,3213.06 14766.78,3281.02 14766.87,3281.1 14766.87,3302.76 MUX2.12
O25: MUX1.13 R50.1 S25.3 | length 5170.2
  Top Layer w39.37: R50.1 12805,4871.24 12647.1,5029.14 12607.4,5029.14 S25.3 12647.1,5035 12758.01,5035 12961.94,5238.93 v2@12961.94,5353.06 ; MUX1.13 14890,6445 v2(15315,6020)
  Bottom Layer w39.37: v2(12960,5355) 13069.06,5355 13144.08,5430.03 13144.08,6169.08 13294.63,6319.63 13806.32,6319.63 13922.23,6435.54 14899.46,6435.54 v2(15315,6020)
O26: MUX2.13 R52.1 S26.3 | length 2316.8
  Top Layer w39.37: MUX2.13 14666.87,3314.48 14666.87,3336.14 14666.78,3336.23 14666.78,3421.94 14689.85,3445 15550,3445 16115,4010 R52.1 16304.14,4414.14 16322.6,4414.14 S26.3
RX: Arduino_nano.2 RX.1 | length 371.8
  Bottom Layer w39.37: Arduino_nano.2 15145.86,4880.86 15145.86,4934.38 15193.03,4981.55 15335.55,4981.55 15399.01,5045 RX.1
TX: Arduino_nano.1 TX.1 | length 370.1
  Bottom Layer w39.37: Arduino_nano.1 15380.09,4875 15517.23,5012.14 15517.23,5037.23 TX.1
pads on no net: Arduino_nano.3 Arduino_nano.17 Arduino_nano.18 Arduino_nano.28 Arduino_nano.30 S1.5 S1.6 S1.7 S2.5 S2.6 S2.7 S3.5 S3.6 S3.7 S4.5 S4.6 S4.7 S5.5 S5.6 S5.7 S6.5 S6.6 S6.7 S7.5 S7.6 S7.7 S8.5 S8.6 S8.7 S9.5 S9.6 S9.7 S10.5 S10.6 S10.7 S11.5 S11.6 S11.7 S12.5 S12.6 S12.7 S13.5 S13.6 S13.7 S14.5 S14.6 S14.7 S15.5 S15.6 S15.7 S16.5 S16.6 S16.7 S17.5 S17.6 S17.7 S18.5 S18.6 S18.7 S19.5 S19.6 S19.7 S20.5 S20.6 S20.7 S21.5 S21.6 S21.7 S22.5 S22.6 S22.7 S23.5 S23.6 S23.7 S24.5 S24.6 S24.7 S25.5 S25.6 S25.7 S26.5 S26.6 S26.7 XT60-M.P
copper on no net:
  other v1: 12650,4190 12285,4195 16315,4195 16670,4195 16670,5265 12650,5270 16315,5270 12295,5275

## Polygon pours and split planes (outlines as drawn)
GND on Top Layer "GND_L01_P001" (solid, remove dead copper, pour order 1): 15471.18,1355 16915,2826.67 16915,6895.21 15892.3,8025 13443.66,8025 12045,6636.7 12045,2810 13500,1355
GND on Bottom Layer "GND_L02_P000" (solid, remove dead copper, pour order 0): 15416.29,1425 16870,2895.68 16870,6825 15720,7975 13494.71,7975 12101.79,6593.81 12107.63,2867.37 13550,1425

## Silkscreen, mask and mechanical layers (free items; w line width, h text height)
Top Overlay:
  lines w10: 12014.32,1350 16935,1350 16935,2912.5 16935,6187.5 16935,8030 12015,8030 12015,7323.13 12015,6292.5 12015,1360 12014.32,1350
Mechanical 1:
  the board outline again, w20